# KiCad board Thermal_Camera.kicad_pcb
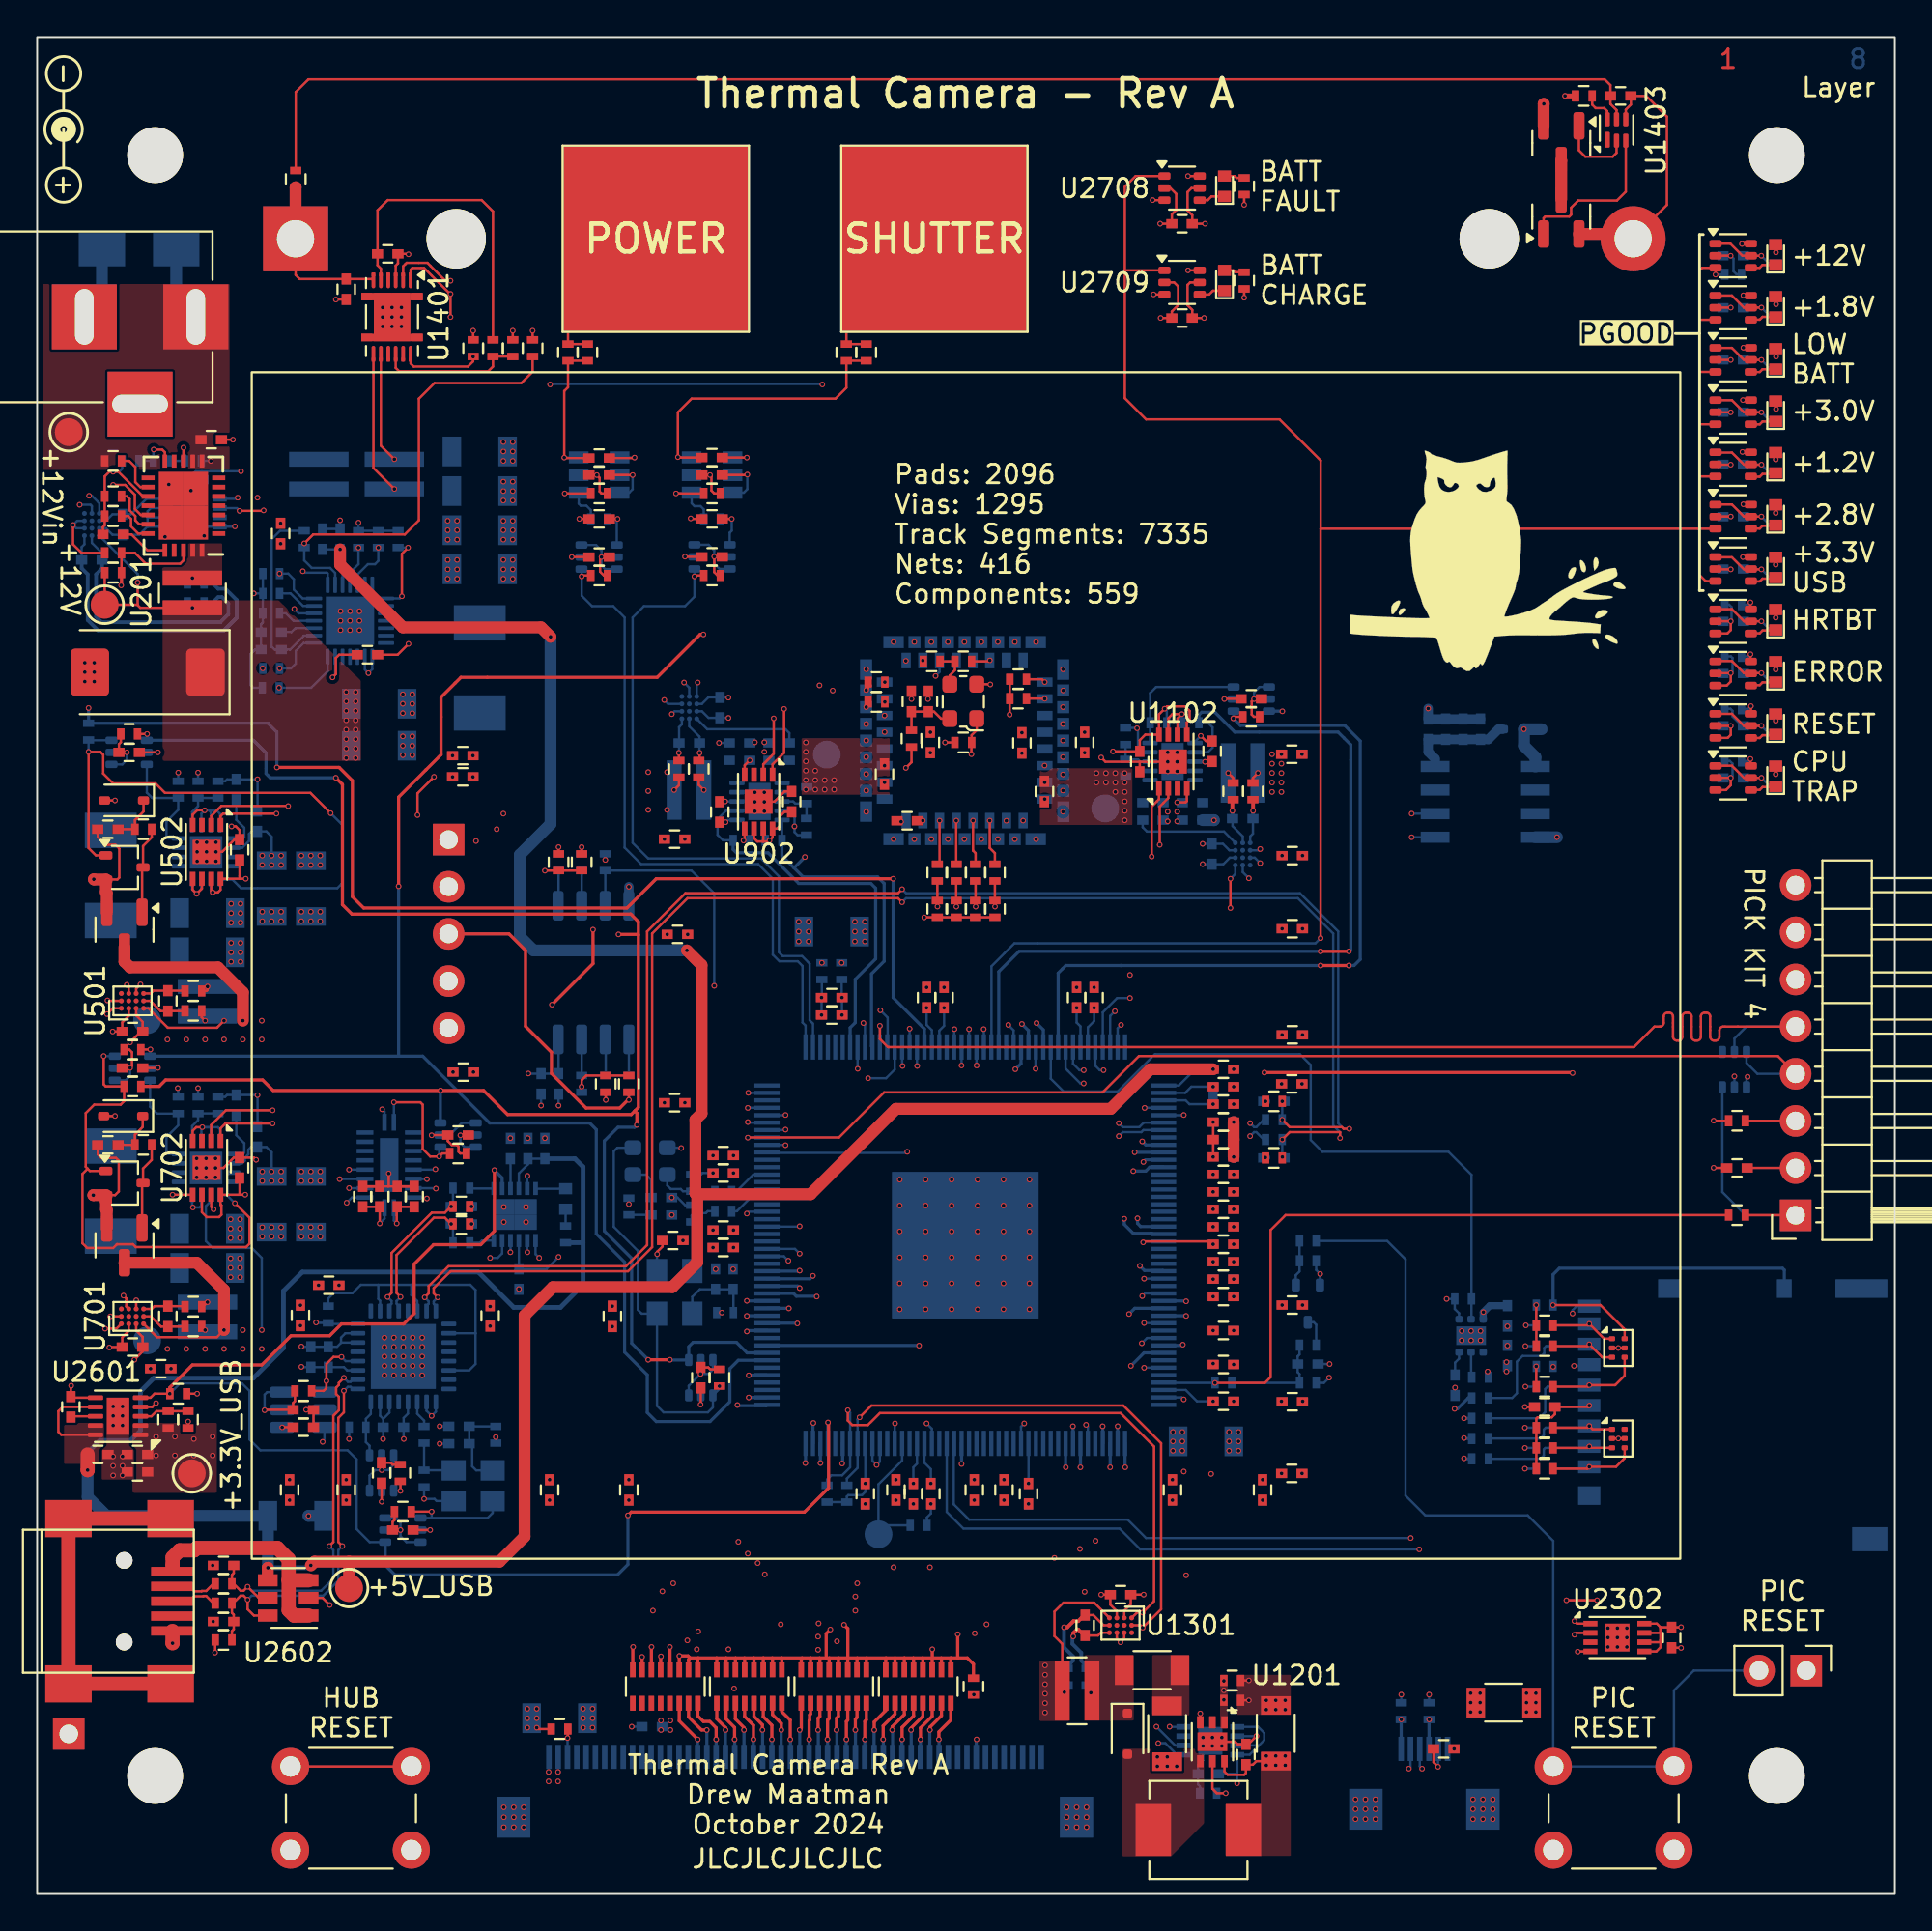
[diagram p0: board, top side]
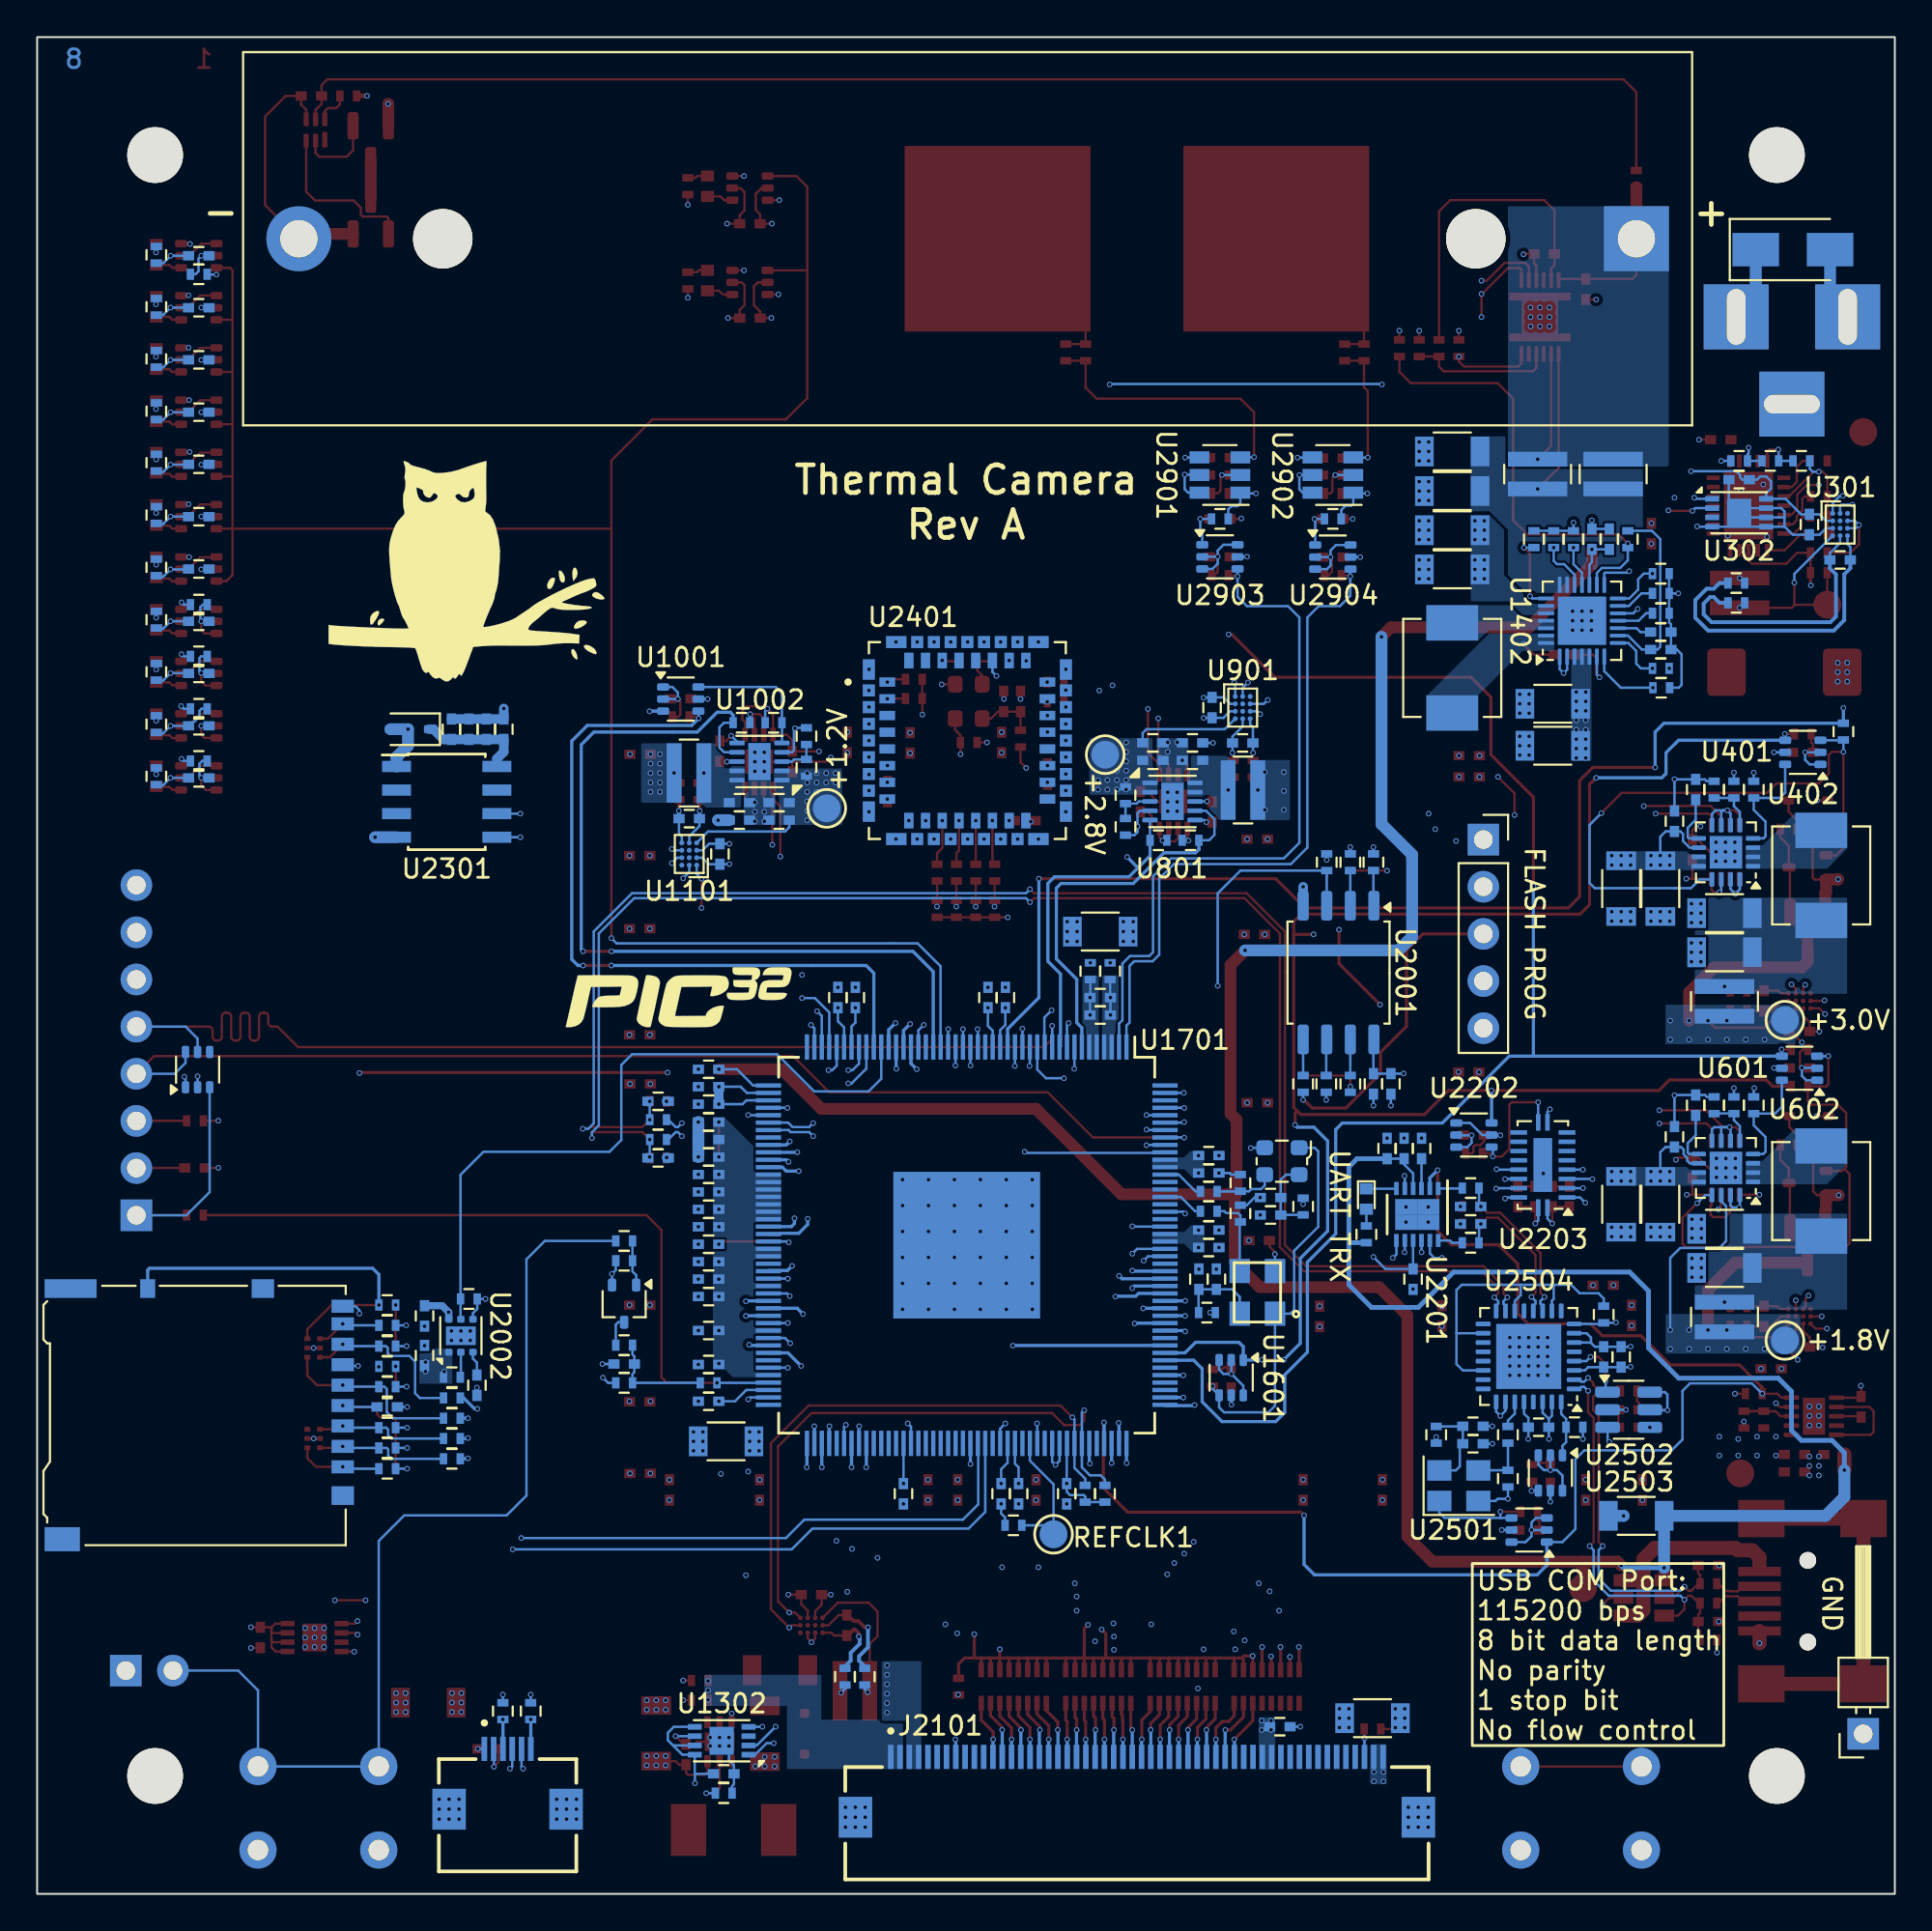
[diagram p1: board, bottom side, seen from below]

Outline 100 x 100 mm; copper layers: Top, In1.Cu (plane), In2.Cu, In3.Cu (plane), In4.Cu (plane), In5.Cu, In6.Cu (plane), Bottom. Coordinates in mm from the lower left corner of the outline.
Outline path: rectangle 0,100 100,0
Stack: Top 0.0351mm / dielectric 0.1163mm FR4 er 4.5 / In1.Cu 0.0152mm / dielectric 0.3mm FR4 er 4.5 / In2.Cu 0.0152mm / dielectric 0.1529mm FR4 er 4.5 / In3.Cu 0.0152mm / dielectric 0.3mm FR4 er 4.5 / In4.Cu 0.0152mm / dielectric 0.1529mm FR4 er 4.5 / In5.Cu 0.0152mm / dielectric 0.3mm FR4 er 4.5 / In6.Cu 0.0152mm / dielectric 0.1163mm FR4 er 4.5 / Bottom 0.0351mm

## Placement (name value [footprint] x y rotation side)
C201  10nF  [C_0402]  4.09 73.22 180 top
C202  0.1uF  [C_0402]  9.37 78.32 0 top
C203  100uF  [CP_EIA-7343-43_Kemet-X]  5.95 65.8 180 top
C301  0.1uF  [C_0402]  2.95 71.84 0 bottom
C302  0.1uF  [C_0402]  4.6 73.75 270 bottom
C303  0.1uF  [C_0402]  8.38 76.16 0 bottom
C401  0.1uF  [C_0402]  4.95 61.48 180 top
C402  10uF  [C_1206]  14.73 54.14 270 bottom
C403  10uF  [C_0402]  3.81 57.34 180 top
C404  10uF  [C_1206]  12.62 54.14 270 bottom
C405  10nF  [C_0402]  10.72 59.47 90 bottom
C406  0.1uF  [C_0402]  11.86 57.77 90 bottom
C407  10uF  [C_1206]  9.17 52.82 0 bottom
C408  10uF  [C_1206]  9.17 50.71 0 bottom
C501  0.1uF  [C_0402]  7.04 48.1 270 top
C502  0.1uF  [C_0402]  5.13 46.44 0 top
C503  0.1uF  [C_0402]  10.9 56.23 90 top
C601  0.1uF  [C_0402]  5.13 44.48 180 top
C602  10uF  [C_1206]  14.73 37.14 270 bottom
C603  10uF  [C_0402]  3.81 40.34 180 top
C604  10uF  [C_1206]  12.62 37.14 270 bottom
C605  10nF  [C_0402]  10.72 42.47 90 bottom
C606  0.1uF  [C_0402]  11.86 40.77 90 bottom
C607  10uF  [C_1206]  9.17 35.82 0 bottom
C608  10uF  [C_1206]  9.17 33.71 0 bottom
C701  0.1uF  [C_0402]  7.04 31.1 270 top
C702  0.1uF  [C_0402]  5.13 29.45 0 top
C703  0.1uF  [C_0402]  10.9 39.1 90 top
C801  10uF  [C_0402]  37.81 61.99 0 bottom
C802  10uF  [C_0402]  37.81 61.05 0 bottom
C803  0.1uF  [C_0402]  36.75 58.27 270 top
C804  10uF  [C_0402]  39.94 61.05 180 bottom
C805  10uF  [C_0402]  39.94 61.99 180 bottom
C901  0.1uF  [C_0402]  35.1 61.99 0 bottom
C902  0.1uF  [C_0402]  36.76 63.89 270 bottom
C903  0.1uF  [C_0402]  40.61 58.83 90 top
C1001  0.1uF  [C_0402]  65.35 64.36 0 top
C1002  10uF  [C_0402]  62.2 57.83 180 bottom
C1003  10uF  [C_0402]  62.2 58.77 180 bottom
C1004  0.1uF  [C_0402]  63.25 61.54 90 top
C1005  10uF  [C_0402]  60.06 58.77 0 bottom
C1006  10uF  [C_0402]  60.06 57.83 0 bottom
C1101  0.1uF  [C_0402]  64.9 57.91 180 bottom
C1102  0.1uF  [C_0402]  63.25 56.01 90 bottom
C1103  0.1uF  [C_0402]  59.35 60.98 270 top
C1201  10uF  [C_1206]  66.68 8.65 90 top
C1202  1uF  [C_0402]  65.07 7.51 90 top
C1203  10uF  [C_1206]  60.01 12.05 0 top
C1204  10uF  [C_1206]  60.83 8.62 270 top
C1301  0.1uF  [C_0402]  56.41 14.47 90 top
C1302  0.1uF  [C_0402]  58.32 16.12 180 top
C1303  0.1uF  [C_0402]  63.04 6.47 180 bottom
C1401  1uF  [C_0402]  16.64 86.42 270 top
C1402  10uF  [C_1206]  18.41 61.84 0 bottom
C1403  10uF  [C_0402]  15.37 72.96 90 bottom
C1404  10uF  [C_1206]  18.41 64.1 0 bottom
C1405  0.1uF  [C_0402]  17.78 66.74 0 top
C1406  10uF  [C_0402]  16.31 72.96 90 bottom
C1407  0.1uF  [C_0402]  12.6 67.96 180 bottom
C1408  1uF  [C_0402]  18.87 88.33 0 top
C1409  10uF  [C_1206]  23.83 73.44 0 bottom
C1410  10uF  [C_1206]  23.83 75.55 0 bottom
C1411  1uF  [C_0402]  12.6 67.02 180 bottom
C1412  10uF  [C_1206]  23.83 71.34 0 bottom
C1413  10uF  [C_1206]  23.83 77.69 0 bottom
C1414  0.1uF  [C_0402]  85.24 96.83 180 top
C1501  0.1uF  [C_0402]  68.4 28.54 0 bottom
C1502  0.1uF  [C_0402]  91.5 39.1 180 top
C1601  0.1uF  [C_0402]  35.72 27.8 90 top
C1602  0.1uF  [C_0402]  33.6 37.5 0 bottom
C1603  0.1uF  [C_0402]  36.52 33.11 90 bottom
C1604  10uF  [C_0402]  33.6 36.56 0 bottom
C1605  10uF  [C_0402]  37.46 33.11 90 bottom
C1701  0.1uF  [C_0402]  48.82 48.27 90 top
C1702  0.1uF  [C_0402]  36.93 34.81 180 top
C1703  0.1uF  [C_0402]  47.88 48.27 90 top
C1704  0.1uF  [C_0402]  63.86 38.75 0 top
C1705  0.1uF  [C_0402]  63.86 33.11 0 top
C1706  0.1uF  [C_0402]  63.86 34.99 0 top
C1707  10nF  [C_0402]  48.82 48.27 90 bottom
C1708  10nF  [C_0402]  36.93 34.81 180 bottom
C1709  10nF  [C_0402]  47.88 48.27 90 bottom
C1710  10nF  [C_0402]  63.86 38.75 0 bottom
C1711  10nF  [C_0402]  63.86 33.11 0 bottom
C1712  10nF  [C_0402]  63.86 34.99 0 bottom
C1713  0.1uF  [C_0402]  55.96 48.27 90 top
C1714  0.1uF  [C_0402]  36.93 35.75 180 top
C1715  0.1uF  [C_0402]  56.9 48.27 90 top
C1716  0.1uF  [C_0402]  63.86 37.81 0 top
C1717  0.1uF  [C_0402]  63.86 28.51 0 top
C1718  0.1uF  [C_0402]  63.86 42.53 0 top
C1719  47pF  [C_0402]  66.57 39.64 180 bottom
C1720  10nF  [C_0402]  55.96 48.27 90 bottom
C1721  10nF  [C_0402]  36.93 35.75 180 bottom
C1722  10nF  [C_0402]  56.9 48.27 90 bottom
C1723  10nF  [C_0402]  63.86 37.81 0 bottom
C1724  10nF  [C_0402]  63.86 28.51 0 bottom
C1725  10nF  [C_0402]  63.86 42.53 0 bottom
C1726  47pF  [C_0402]  66.57 42.68 180 bottom
C1727  0.1uF  [C_0402]  63.86 26.53 0 top
C1728  0.1uF  [C_0402]  36.93 38.82 180 top
C1729  0.1uF  [C_0402]  63.86 41.57 0 top
C1730  0.1uF  [C_0402]  63.86 36.87 0 top
C1731  0.1uF  [C_0402]  48.11 21.55 270 top
C1732  0.1uF  [C_0402]  63.86 43.47 0 top
C1733  10nF  [C_0402]  63.86 26.53 0 bottom
C1734  10nF  [C_0402]  36.93 38.82 180 bottom
C1735  10nF  [C_0402]  63.86 41.57 0 bottom
C1736  10nF  [C_0402]  63.86 36.87 0 bottom
C1737  10nF  [C_0402]  48.11 21.55 270 bottom
C1738  10nF  [C_0402]  63.86 43.47 0 bottom
C1739  0.1uF  [C_0402]  53.37 21.55 270 top
C1740  0.1uF  [C_0402]  36.93 39.76 180 top
C1741  0.1uF  [C_0402]  63.86 40.63 0 top
C1742  0.1uF  [C_0402]  63.86 35.93 0 top
C1743  0.1uF  [C_0402]  63.86 30.34 0 top
C1744  0.1uF  [C_0402]  63.86 44.41 0 top
C1745  10nF  [C_0402]  53.37 21.55 270 bottom
C1746  10nF  [C_0402]  36.93 39.76 180 bottom
C1747  10nF  [C_0402]  63.86 40.63 0 bottom
C1748  10nF  [C_0402]  63.86 35.93 0 bottom
C1749  10nF  [C_0402]  63.86 30.34 0 bottom
C1750  10nF  [C_0402]  63.86 44.41 0 bottom
C1751  0.1uF  [C_0402]  44.58 21.55 270 top
C1752  0.1uF  [C_0402]  47.17 21.55 270 top
C1753  0.1uF  [C_0402]  63.86 39.69 0 top
C1754  0.1uF  [C_0402]  63.86 34.05 0 top
C1755  0.1uF  [C_0402]  63.86 32.17 0 top
C1756  10nF  [C_0402]  44.58 21.55 270 bottom
C1757  10nF  [C_0402]  47.17 21.55 270 bottom
C1758  10nF  [C_0402]  63.86 39.69 0 bottom
C1759  10nF  [C_0402]  63.86 34.05 0 bottom
C1760  10nF  [C_0402]  63.86 32.17 0 bottom
C1761  0.1uF  [C_0402]  42.77 48.27 0 top
C1762  10nF  [C_0402]  42.77 47.33 0 bottom
C1763  0.1uF  [C_0402]  42.77 48.27 0 bottom
C1764  10nF  [C_0402]  42.77 47.33 0 top
C1765  10uF  [C_1206]  62.92 24.37 0 bottom
C1766  10uF  [C_1206]  42.77 51.83 0 bottom
C2001  0.1uF  [C_0402]  81.15 26.23 180 bottom
C2002  10uF  [C_0402]  81.15 26.23 180 top
C2003  0.1uF  [C_0402]  28.07 43.62 270 bottom
C2004  10uF  [C_0402]  79.15 31.13 270 bottom
C2005  10uF  [C_0402]  27.13 43.62 270 bottom
C2006  0.1uF  [C_0402]  76.33 27.39 270 bottom
C2007  10uF  [C_0402]  79.15 28.99 90 bottom
C2101  0.1uF  [C_0402]  33.1 9.01 180 bottom
C2102  10uF  [C_1206]  28.12 9.46 180 bottom
C2103  0.1uF  [C_0402]  75.72 7.81 0 top
C2104  10uF  [C_1206]  78.94 10.3 0 top
C2201  0.1uF  [C_0402]  25.93 33.11 270 bottom
C2202  0.1uF  [C_0402]  18.44 37.55 90 top
C2203  0.1uF  [C_0402]  26.42 40.14 90 bottom
C2204  0.1uF  [C_0402]  22.66 40.87 0 top
C2205  10uF  [C_0402]  17.53 37.55 90 top
C2206  10uF  [C_0402]  27.33 40.14 90 bottom
C2207  0.1uF  [C_0402]  25.48 40.14 90 bottom
C2208  47pF  [C_0402]  22.83 36.08 0 bottom
C2209  47pF  [C_0402]  22.83 37.02 0 bottom
C2210  0.1uF  [C_0402]  19.38 37.55 90 top
C2211  10uF  [C_0402]  20.29 37.55 90 top
C2301  10uF  [C_0402]  77.7 62.73 90 bottom
C2302  10uF  [C_0402]  76.76 62.73 90 bottom
C2303  10uF  [C_0402]  75.82 62.73 90 bottom
C2304  0.1uF  [C_0402]  74.88 62.73 90 bottom
C2305  0.1uF  [C_0402]  87.99 13.81 270 top
C2401  0.1uF  [C_0402]  47.97 64.22 90 top
C2402  10uF  [C_0402]  47.06 64.22 90 top
C2403  0.1uF  [C_0402]  54.22 59.37 270 top
C2404  0.1uF  [C_0402]  46.83 57.8 0 top
C2405  0.1uF  [C_0402]  45.61 60.31 270 top
C2501  0.1uF  [C_0402]  14.33 25.13 0 top
C2502  0.1uF  [C_0402]  19.69 19.6 180 top
C2503  0.1uF  [C_0402]  14.33 26.07 0 top
C2504  0.1uF  [C_0402]  22.71 24.24 180 bottom
C2505  10uF  [C_0402]  22.71 25.18 180 bottom
C2506  0.1uF  [C_0402]  19.18 25.13 0 bottom
C2507  0.1uF  [C_0402]  15.67 28.92 90 bottom
C2508  10uF  [C_0402]  14.73 28.92 90 bottom
C2509  0.1uF  [C_0402]  18.54 22.67 90 top
C2601  10uF  [C_0402]  3.27 23.67 0 top
C2602  0.1uF  [C_0402]  1.81 26.23 90 top
C2603  10uF  [C_0402]  5.4 23.67 180 top
C2604  22pF  [C_0402]  10.03 14.67 180 top
C2605  10uF  [C_0402]  5.4 22.73 180 top
C2606  22pF  [C_0402]  10.03 17.69 180 top
C2607  10uF  [C_1206]  13.92 20.36 0 bottom
C2701  0.1uF  [C_0402]  91.3 88.23 180 bottom
C2702  0.1uF  [C_0402]  91.3 85.43 180 bottom
C2703  0.1uF  [C_0402]  91.3 82.62 180 bottom
C2704  0.1uF  [C_0402]  91.3 79.8 180 bottom
C2705  0.1uF  [C_0402]  91.3 76.99 180 bottom
C2706  0.1uF  [C_0402]  91.3 74.17 180 bottom
C2707  0.1uF  [C_0402]  91.3 71.35 180 bottom
C2708  0.1uF  [C_0402]  61.63 89.95 180 top
C2709  0.1uF  [C_0402]  61.63 84.87 180 top
C2801  0.1uF  [C_0402]  91.3 68.53 180 bottom
C2802  0.1uF  [C_0402]  91.3 65.73 180 bottom
C2803  0.1uF  [C_0402]  91.3 62.91 180 bottom
C2804  0.1uF  [C_0402]  91.3 60.1 180 bottom
C2901  10nF  [C_0402]  36.33 77.36 180 top
C2902  10nF  [C_0402]  30.25 77.33 180 top
C2903  0.1uF  [C_0402]  36.33 76.42 180 top
C2904  0.1uF  [C_0402]  30.25 76.42 180 top
C2905  10uF  [C_0402]  36.33 74.05 180 top
C2906  10uF  [C_0402]  30.25 74.05 180 top
C2907  0.1uF  [C_0402]  36.33 72.01 0 top
C2908  0.1uF  [C_0402]  30.25 72 0 top
C3101  10nF  [C_0402]  13.11 73.27 90 top
C3102  10nF  [C_0402]  22.91 61.3 0 top
C3103  10nF  [C_0402]  22.94 44.26 0 top
C3104  10nF  [C_0402]  22.91 60.16 0 top
C3105  10nF  [C_0402]  15.7 32.78 0 top
C3106  10nF  [C_0402]  14.17 31.15 270 top
C3107  10nF  [C_0402]  6.65 28.28 0 top
C3108  10nF  [C_0402]  13.59 21.76 90 top
C3109  10nF  [C_0402]  16.64 21.76 90 top
C3110  10nF  [C_0402]  27.58 21.76 90 top
C3111  10nF  [C_0402]  31.85 21.76 90 top
C3112  10nF  [C_0402]  50.44 21.76 90 top
C3113  10nF  [C_0402]  52.04 21.76 90 top
C3114  10nF  [C_0402]  61.11 21.76 90 top
C3115  10nF  [C_0402]  65.96 21.76 90 top
C3116  10nF  [C_0402]  46.23 21.76 90 top
C3117  10nF  [C_0402]  67.54 22.64 0 top
C3118  10nF  [C_0402]  67.56 26.51 0 top
C3119  10nF  [C_0402]  67.56 31.71 0 top
C3120  10nF  [C_0402]  67.54 43.62 0 top
C3121  10nF  [C_0402]  67.56 46.27 0 top
C3122  10nF  [C_0402]  67.56 51.98 0 top
C3123  10nF  [C_0402]  67.56 55.92 0 top
C3124  10nF  [C_0402]  67.54 61.38 0 top
C3125  10nF  [C_0402]  56.39 62.01 90 top
C3126  10nF  [C_0402]  53.01 61.99 90 top
C3127  10nF  [C_0402]  48.08 62.01 90 top
C3128  10nF  [C_0402]  34.32 56.81 180 top
C3129  10nF  [C_0402]  34.47 51.68 180 top
C3130  10nF  [C_0402]  34.32 42.61 180 top
C3131  10nF  [C_0402]  30.96 31.1 90 top
C3132  10nF  [C_0402]  24.38 31.13 90 top
C3133  10nF  [C_0402]  34.21 35.19 180 top
D201  24V  [D_SMA]  5.49 88.56 180 bottom  (not fitted)
D401  BAT48JFILM  [D_SOD-323]  4.68 58.89 180 top
D601  BAT48JFILM  [D_SOD-323]  4.63 41.89 180 top
D1201  PMEG6010CEJ  [D_SOD-323F]  58.69 8.62 270 top
D1501  PESD3V3L5UY  [SOT-363_SC-70-6]  91.36 44.39 90 bottom
D2001  PESD3V3L4UF  [SOT-886]  85.12 29.4 0 top
D2002  PESD3V3L4UF  [SOT-886]  85.12 24.52 0 top
D2201  Yellow  [LED_0402]  28.45 37.43 270 bottom
D2301  BAT48JFILM  [D_SOD-323]  79.93 62.73 0 bottom
D2701  Green  [LED_0402]  93.58 88.28 90 top
D2702  Green  [LED_0402]  93.58 85.48 90 top
D2703  Red  [LED_0402]  93.58 82.67 90 top
D2704  Green  [LED_0402]  93.58 79.85 90 top
D2705  Green  [LED_0402]  93.58 77.08 90 top
D2706  Green  [LED_0402]  93.58 74.26 90 top
D2707  Green  [LED_0402]  93.58 71.44 90 top
D2708  Red  [LED_0402]  63.92 91.97 90 top
D2709  Green  [LED_0402]  63.92 86.89 90 top
D2801  Green  [LED_0402]  93.58 68.62 90 top
D2802  Red  [LED_0402]  93.58 65.82 90 top
D2803  Red  [LED_0402]  93.58 63 90 top
D2804  Red  [LED_0402]  93.58 60.19 90 top
G***  -  [Owl_1_Logo]  78.42 71.79 0 top
G***#2  -  [PIC32_Logo]  65.46 48.35 180 bottom
G***#3  -  [Owl_1_Logo]  76.54 71.23 180 bottom
H3001  MountingHole  [MountingHole_3mm]  6.35 6.35 0 top
H3002  MountingHole  [MountingHole_3mm]  93.65 6.35 0 top
H3003  MountingHole  [MountingHole_3mm]  6.35 93.65 0 top
H3004  MountingHole  [MountingHole_3mm]  93.65 93.65 0 top
J201  +12V IN  [BARREL_JACK]  8.54 84.93 0 top
J1401  18650 Holder  [BatteryHolder_MPD_BH-18650-PC2]  13.91 89.14 0 bottom
J1501  PICKIT4  [PICKIT4_Header]  94.66 36.55 0 top
J1502  MRST  [PinHeader_1x02_P2.54mm_Vertical]  95.23 12.03 270 top
J2001  Micro_SD_Card_Det_Hirose_DM3AT  [Hirose_DM3AT-SF-PEJM5]  84.15 23 270 bottom
J2002  FLASH PRG  [PinSocket_1x05_P2.54mm_Vertical]  22.15 56.78 180 bottom
J2101  LCD Pixel Data  [GCT_FFC2B35-54-G_REVA2]  40.8 4.13 180 bottom
J2102  LCD CTP Data  [GCT_FFC2B35-06-G_REVA2]  74.68 4.56 180 bottom
J2601  USB_B_Mini  [USB_Mini-B]  4.49 15.76 0 top
L401  2.2uH  [L_Vishay_IHLP-2020]  3.96 54.85 270 bottom
L601  2.2uH  [L_Vishay_IHLP-2020]  3.96 37.85 270 bottom
L1201  22uH  [L_Vishay_IHLP-2020]  62.51 3.44 180 top
L1401  4.7uH  [L_Vishay_IHLP-2020]  23.83 66.03 270 bottom
L1501  600R 0.5A  [L_0402]  91.5 36.56 0 top
L1502  600R 0.5A  [L_0402]  91.5 41.64 180 top
L1601  600R 0.5A  [L_0402]  31.85 37.02 90 bottom
L1602  600R 0.5A  [L_0402]  37.03 31.31 180 bottom
L1701  600R 0.5A  [L_0402]  42.24 49.7 90 bottom
L1702  600R 0.5A  [L_0402]  43.31 49.7 90 bottom
L2401  600R 0.5A  [L_0402]  47.07 62.22 270 top
L2501  600R 0.5A  [L_0402]  24.69 24.73 270 bottom
N2101  LCD Module  [GLT035320240IS1-CTP]  50 50 0 top
Q401  BSS214NW  [SOT-323_SC-70]  4.7 55.28 0 top
Q402  ZXMS6004FFTA  [SOT-23]  4.7 51.93 270 top
Q601  BSS214NW  [SOT-323_SC-70]  4.7 38.28 0 top
Q602  ZXMS6004FFTA  [SOT-23]  4.7 34.93 270 top
Q1401  DMN3042L  [SOT-23]  82.04 90.34 90 top
Q1402  DMN3042L  [SOT-23]  82.04 94.29 270 top
Q1501  BSS214NW  [SOT-323_SC-70]  68.4 31.79 270 bottom
R201  51.1k  [R_0402]  8.38 77.18 180 bottom
R202  1.15k  [R_0402]  6.71 77.18 180 bottom
R203  5.11k  [R_0402]  5.03 77.18 180 bottom
R204  10k  [R_0402]  4.09 77.18 0 top
R205  10  [R_0402]  8.53 70.6 180 bottom
R206  10k  [R_0402]  4.09 74.21 180 top
R207  0.02  [R_0612]  8.36 70.07 270 top
R208  5.11k  [R_0402]  4.09 71.16 0 top
R209  1.15k  [R_0402]  4.09 72.23 180 top
R210  10  [R_0402]  8.53 69.53 180 bottom
R211  10k  [R_0402]  4.09 75.27 180 top
R401  10  [R_0402]  2.77 62.6 270 bottom
R402  10k  [R_0402]  4.95 62.47 180 top
R403  10k  [R_0402]  7.59 59.47 270 bottom
R404  10k  [R_0402]  5.72 57.34 0 top
R405  10  [R_0402]  8.41 48.63 0 top
R406  0.02  [R_0612]  9.17 48.07 270 bottom
R407  10  [R_0402]  8.41 47.56 0 top
R408  3.16k  [R_0402]  8.66 59.47 270 bottom
R409  1.15k  [R_0402]  9.73 59.47 90 bottom
R601  10  [R_0402]  5.13 43.49 180 top
R602  10k  [R_0402]  5.13 45.47 180 top
R603  10k  [R_0402]  7.59 42.47 270 bottom
R604  10k  [R_0402]  5.72 40.34 0 top
R605  10  [R_0402]  8.41 31.63 0 top
R606  0.02  [R_0612]  9.17 31.07 270 bottom
R607  10  [R_0402]  8.41 30.56 0 top
R608  1.87k  [R_0402]  8.66 42.47 270 bottom
R609  1.5k  [R_0402]  9.73 42.47 90 bottom
R801  10k  [R_0402]  39.64 56.75 0 bottom
R802  10k  [R_0402]  37.91 56.75 0 bottom
R803  10  [R_0402]  34.55 60.59 270 top
R804  0.02  [R_0612]  35.09 59.45 0 bottom
R805  10  [R_0402]  35.61 60.59 270 top
R806  2.87k  [R_0402]  41.41 59.17 270 bottom
R807  1.15k  [R_0402]  41.41 57.47 270 bottom
R1001  10k  [R_0402]  60.36 63.07 180 bottom
R1002  10k  [R_0402]  62.09 63.07 180 bottom
R1003  10k  [R_0402]  65.35 63.4 0 top
R1004  10  [R_0402]  65.45 59.38 90 top
R1005  0.02  [R_0612]  64.91 60.37 180 bottom
R1006  10  [R_0402]  64.38 59.38 90 top
R1007  5.9k  [R_0402]  58.59 60.65 90 bottom
R1008  11.8k  [R_0402]  58.59 62.35 90 bottom
R1201  10k  [R_0402]  63.04 5.42 0 bottom
R1202  10  [R_0402]  64.33 10.43 0 top
R1203  10  [R_0402]  64.33 11.49 0 top
R1204  10  [R_0402]  56.52 11.7 270 bottom
R1205  0.02  [R_0612]  55.98 10.93 180 top
R1206  10  [R_0402]  55.45 11.7 270 bottom
R1401  10K  [R_0402]  12.6 71.11 180 bottom
R1402  1.8M  [R_0402]  24.54 83.25 270 top
R1403  10K  [R_0402]  12.57 64.96 180 bottom
R1404  100k  [R_0402]  17.3 72.96 270 bottom
R1405  100k  [R_0402]  18.36 72.96 270 bottom
R1406  5.9k  [R_0402]  12.6 68.97 180 bottom
R1407  10k  [R_0402]  23.47 83.25 270 top
R1408  100k  [R_0402]  12.6 66 0 bottom
R1409  100k  [R_0402]  19.43 72.96 270 bottom
R1410  10k  [R_0402]  14.38 72.96 270 bottom
R1411  1.2k  [R_0402]  12.6 70.04 180 bottom
R1412  0.02  [R_0612]  15.16 76.47 90 bottom
R1413  0.02  [R_0612]  19.23 76.47 90 bottom
R1414  2.2k  [R_0402]  83.26 96.83 180 top
R1415  330  [R_0402]  13.92 92.37 270 top
R1501  10  [R_0402]  68.4 35.17 180 bottom
R1502  10k  [R_0402]  68.4 34.1 0 bottom
R1503  10  [R_0402]  68.4 29.55 180 bottom
R1504  10k  [R_0402]  68.4 27.52 180 bottom
R1505  1k  [R_0402]  63.86 27.52 0 bottom
R1601  10k  [R_0402]  47.45 19.85 0 bottom
R1602  10k  [R_0402]  36.73 27.8 90 top
R1603  10k  [R_0402]  35.23 38.29 90 bottom
R1604  10k  [R_0402]  35.23 36.64 90 bottom
R1605  10  [R_0402]  36.93 37.83 0 bottom
R1606  10  [R_0402]  36.93 36.77 0 bottom
R1701  27  [R_0402]  66.57 40.63 180 bottom
R1702  27  [R_0402]  66.57 41.69 180 bottom
R1703  15k  [R_0402]  66.57 39.64 180 top
R1704  15k  [R_0402]  66.57 42.68 180 top
R1801  10k  [R_0402]  42.52 21.55 90 bottom
R1802  10k  [R_0402]  43.59 21.55 90 bottom
R2001  10  [R_0402]  81.15 22.9 180 bottom
R2002  10  [R_0402]  81.15 24.02 180 bottom
R2003  10  [R_0402]  81.15 25.11 180 bottom
R2004  10  [R_0402]  81.15 27.32 180 bottom
R2005  10  [R_0402]  81.15 29.5 180 bottom
R2006  10  [R_0402]  81.15 30.62 180 bottom
R2007  10  [R_0402]  77.67 23.43 180 bottom  (not fitted)